# Altium PCB MKontr.PcbDoc (part 1 of 3)
Units mm, origin at the board's own origin, x right, y up, seen from the top; angles counter-clockwise.
Board outline 160 x 125 mm, 2 copper layers (Top Layer, Bottom Layer), stack 1.571 mm thick; 243 components, 241 nets, 966 pads, 239 vias.
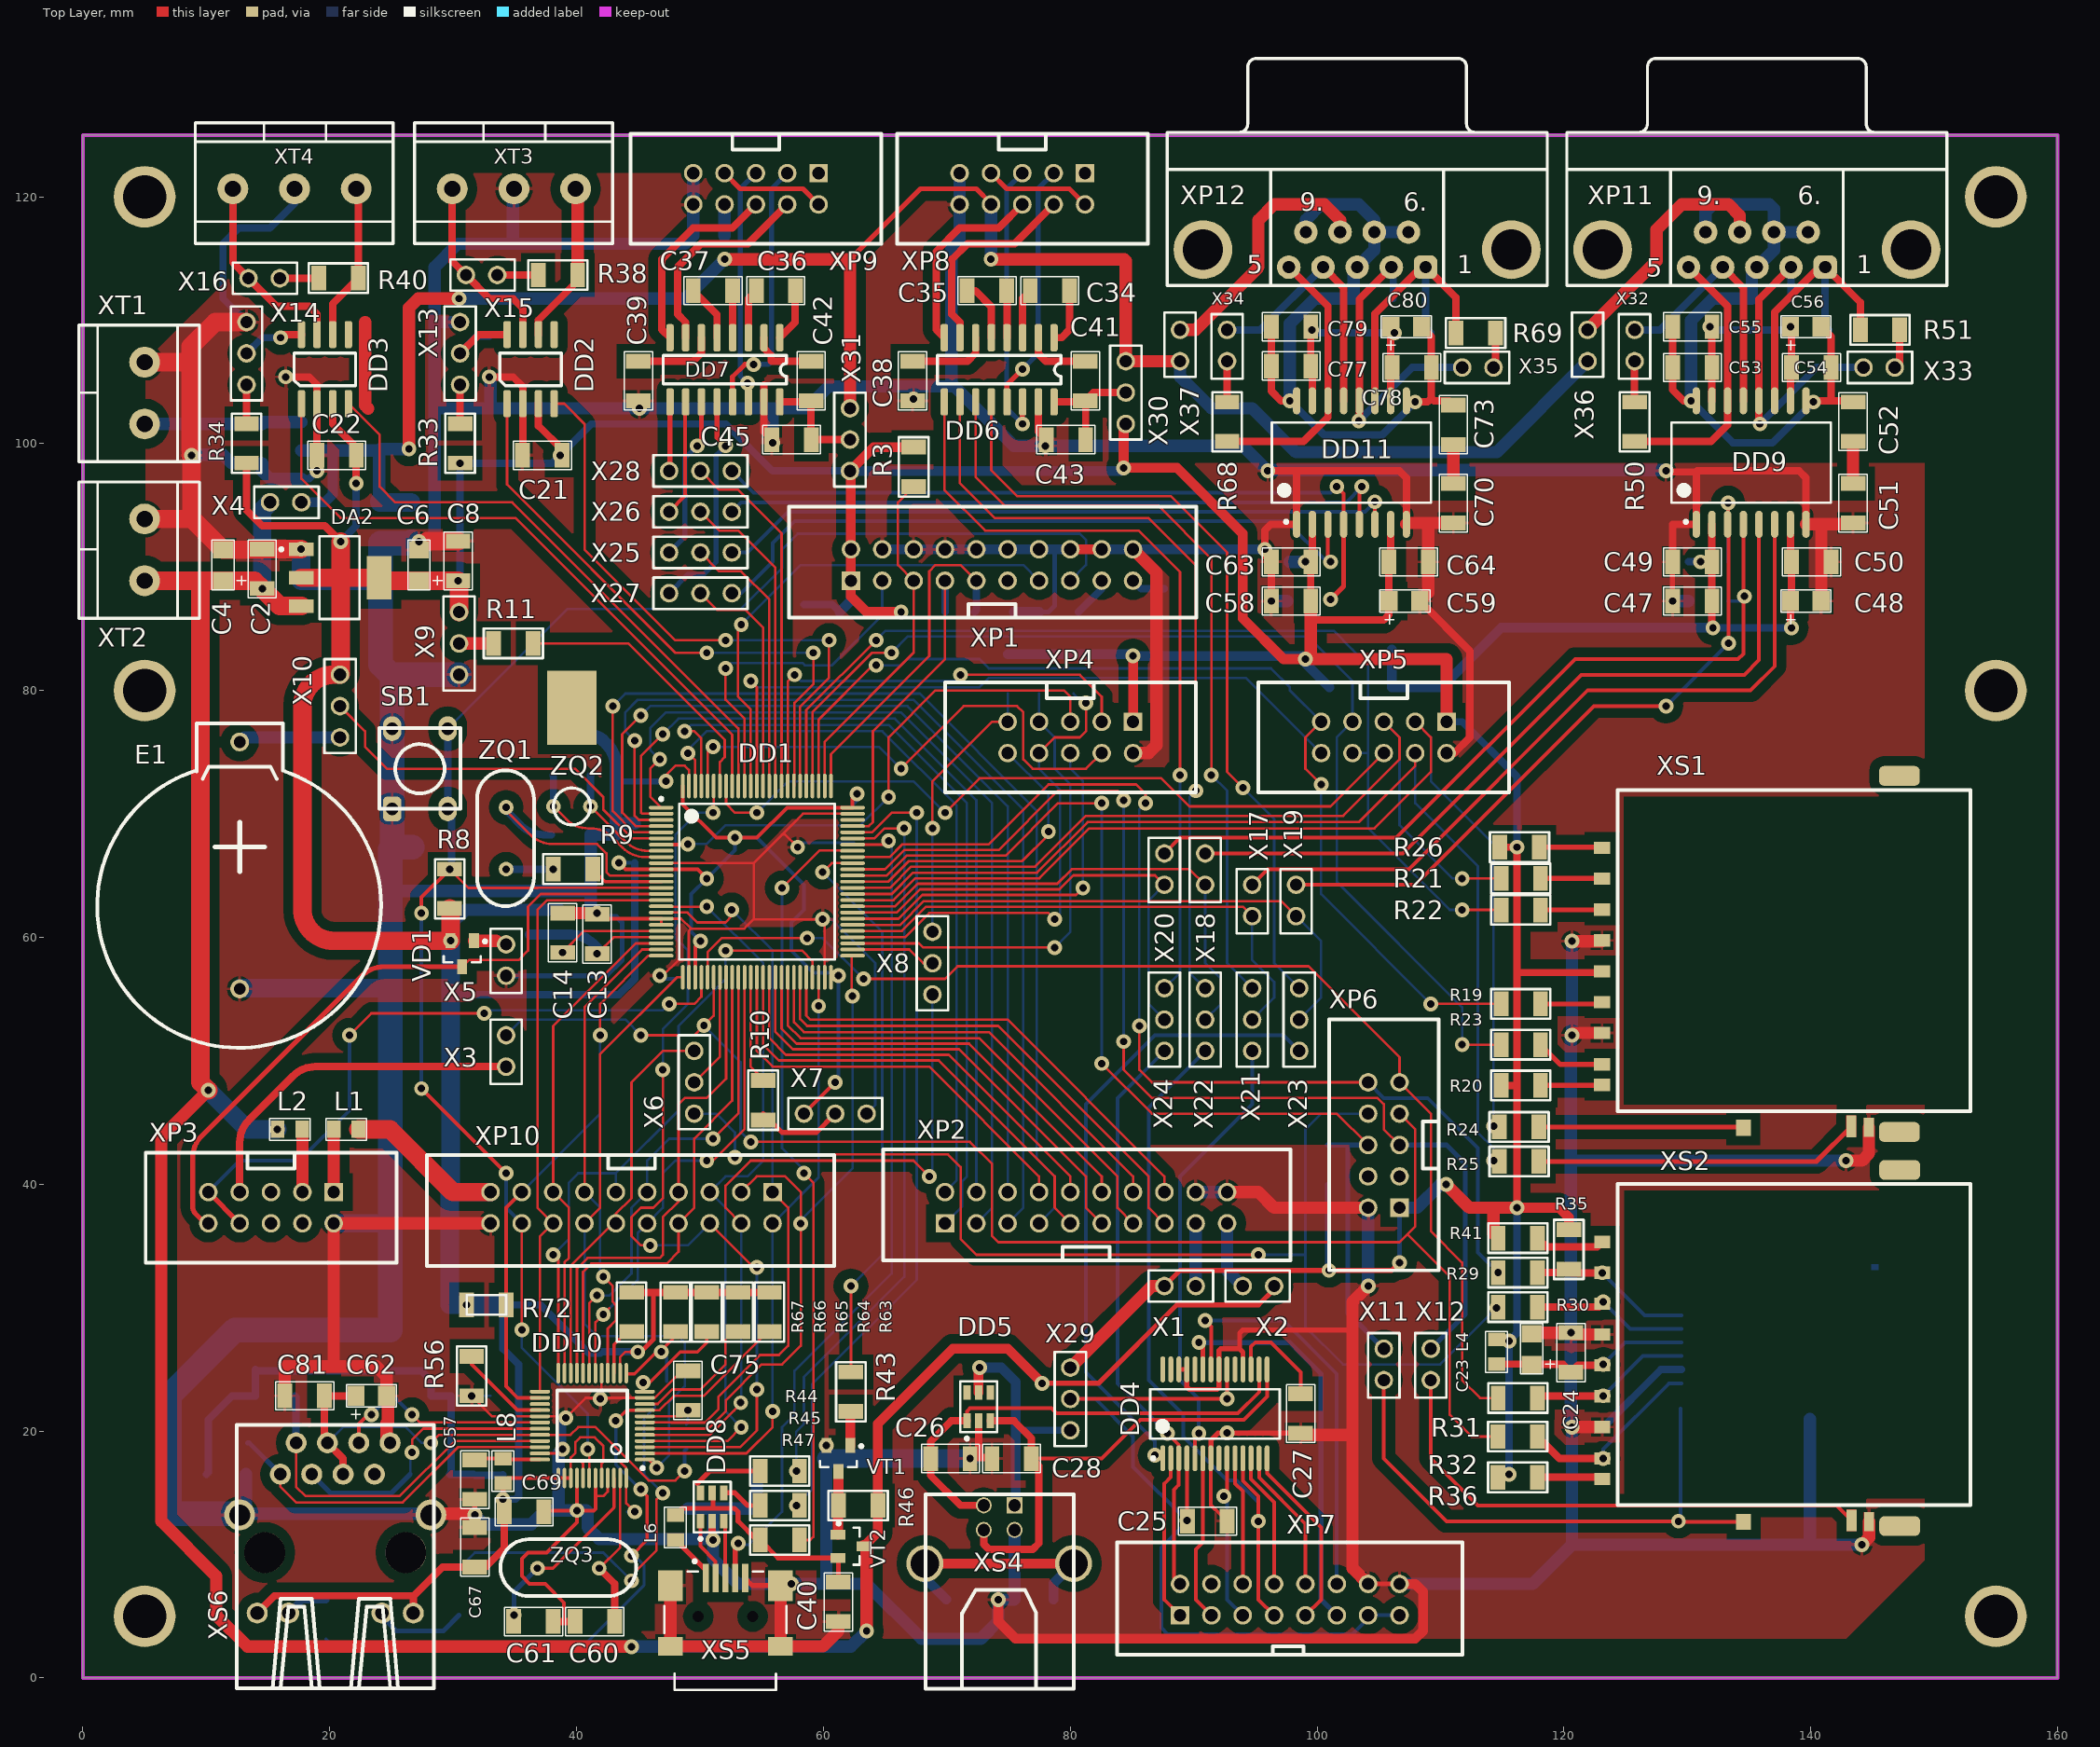
[diagram p0: Top Layer view]
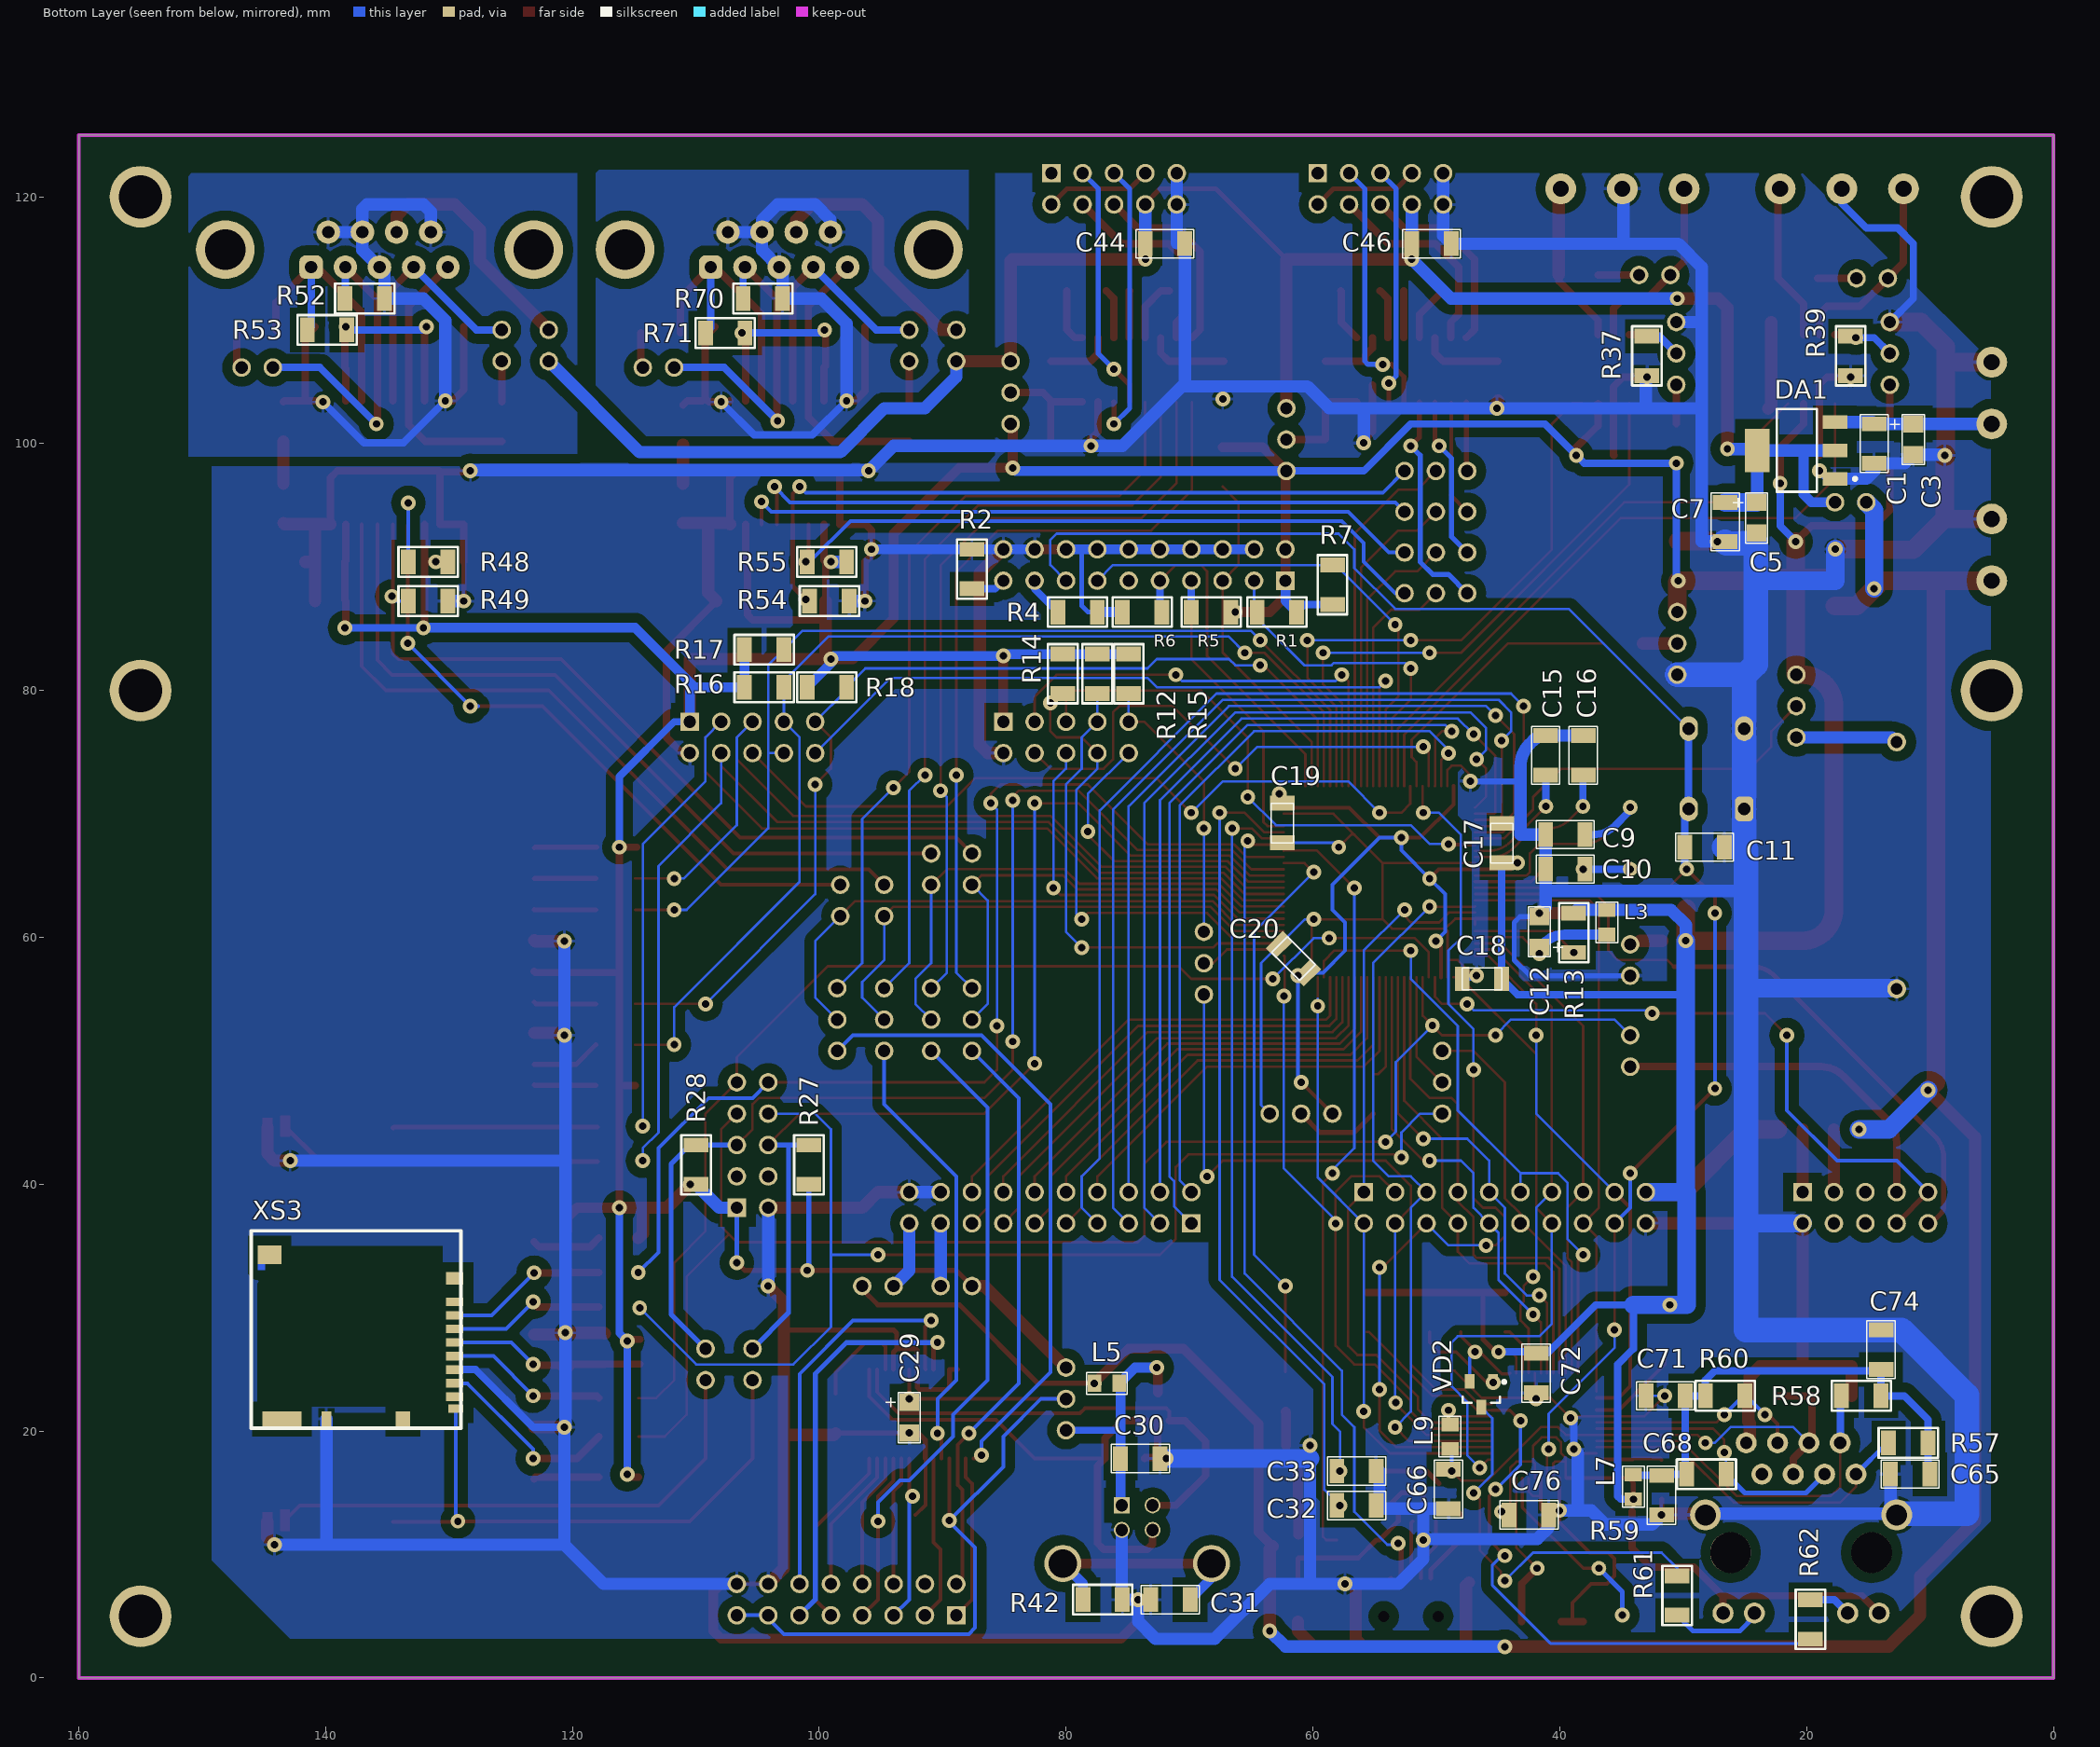
[diagram p1: Bottom Layer view, seen from below]

## Layer stack, top to bottom
Top Layer: signal copper 0.0356
Dielectric: core 1.5, FR-4, Dk 4.8
Bottom Layer: signal copper 0.0356

## Board outline
0,0 0,125 160,125 160,0

## Design rules (kind name [scope] priority, off if disabled: settings)
Clearance ClearanceDD1_DD2 [(HasFootprint('LQFP100') OR HasFootprint('SQFP48'))] p1: gap=0.2
Clearance Clearance_1 [InPolygon] p2: gap=0.8
Clearance [All] p3: gap=0.25
ComponentClearance ComponentClearanceALL [All] p1: gap=0.7 collisioncheckmode=3 verticalgap=0.254 showdistances=FALSE
DiffPairsRouting [All] p1: maxlimit=0.254 minlimit=0.254 mostfreqgap=0.254 maxuncoupledlength=12.7
Height [All] p1: minheight=0 maxheight=30.4 prefheight=12.7
HoleSize [All] p1: absolutevalues=TRUE maxlimit=5 minlimit=0.6 maxpercent=80.000 minpercent=20.000
HoleToHoleClearance [All] p1: gap=0.3 allowstackedmicrovias=TRUE
MinimumSolderMaskSliver MaskMS [(InComponent('DD4') OR InComponent('DD5') OR InComponent('DD8') OR InComponent('XS3'))] p1: minsoldermaskwidth=0.1
MinimumSolderMaskSliver Mask [All] p2: minsoldermaskwidth=0.2
PolygonConnect [All] p1: connectstyle=Relief reliefconductorwidth=0.254 reliefentries=4 polygonreliefangle="90 Angle" airgapwidth=0.254
RoomDefinition Ethernet [InComponentClass('Ethernet')] p1: confinementstyle=ConfineIn formatcopy=TRUE lockcomponents=FALSE outline 0,54.102 66.04,54.102 66.04,-1.016 0,-1.016
RoomDefinition RS485_2 [InComponentClass('RS485_2')] p2: confinementstyle=ConfineIn formatcopy=TRUE lockcomponents=FALSE outline 87.376,85.09 87.376,132.842 119.3,132.842 119.3,85.09
RoomDefinition RS485_1 [InComponentClass('RS485_1')] p3: confinementstyle=ConfineIn formatcopy=TRUE lockcomponents=FALSE outline 119.585,85.09 119.585,132.842 151.685,132.842 151.685,85.09
RoomDefinition USB_OTG [InComponentClass('USB_OTG')] p4: confinementstyle=ConfineIn formatcopy=TRUE lockcomponents=FALSE outline 44.704,27.94 67.056,27.94 67.056,-1.27 44.704,-1.27
RoomDefinition FT232 [InComponentClass('FT232')] p5: confinementstyle=ConfineIn formatcopy=TRUE lockcomponents=FALSE outline 121.828,49.484 121.828,-1.27 61.264,-1.27 61.264,49.484
RoomDefinition RS232_2 [InComponentClass('RS232_2')] p6: confinementstyle=ConfineIn formatcopy=TRUE lockcomponents=FALSE outline 41.195,126.92 65.96,126.92 65.96,94.615 41.195,94.615
RoomDefinition RS232_1 [InComponentClass('RS232_1')] p7: confinementstyle=ConfineIn formatcopy=TRUE lockcomponents=FALSE outline 87.55,94.615 57.07,94.615 57.07,127 87.55,127
RoomDefinition CAN2 [InComponentClass('CAN2')] p8: confinementstyle=ConfineIn formatcopy=TRUE lockcomponents=FALSE outline 28.18,127 28.18,94.615 7.225,94.615 7.225,127
RoomDefinition CAN1 [InComponentClass('CAN1')] p9: confinementstyle=ConfineIn formatcopy=TRUE lockcomponents=FALSE outline 25.405,127 44.69,127 44.69,94.615 25.405,94.615
RoutingCorners [(InNetClass('Signal_Inp') AND InNetClass('Signal_Upr'))] p1: cornerstyle=Round minsetback=2.54 maxsetback=2.54
RoutingVias [All] p1: holewidth=0.6 width=1.2 viastyle="Through Hole" minholewidth=0.4 minwidth=1.2 maxholewidth=1 maxwidth=2
SilkToSilkClearance [All] p1: silktosilkclearance=0.3
SilkToSolderMaskClearance [IsPad] p1: minsilkscreentomaskgap=0.3 clearancetoexposedcopper=TRUE
SolderMaskExpansion SolderMaskMS [(InComponent('DD4') OR InComponent('DD5') OR InComponent('DD8')OR InComponent('XS5')OR InComponent('XS3'))] p1: expansion=0.05
SolderMaskExpansion [All] p2: expansion=0.1
Width GND [InNetClass('GND')] p1: maxlimit=3 minlimit=0.2 preferedwidth=1
Width Power_5 [InNetClass('Power')] p2: maxlimit=3 minlimit=0.2 preferedwidth=1
Width [All] p3: maxlimit=1 minlimit=0.2 preferedwidth=0.5
19 further rules are at their usual default settings.

## Classes and differential pairs
net class GND: AGND GND GND1 GND2
net class Power: 5V 9V +3,3V +5V AVDD33 VBAT VBUS VCC VCC1 VCCIO VDD_SD VIS1 VIS2 VUSB
component class RS485_2: C58 C59 C63 C64 C70 C73 C77 C78 C79 C80 DD11 R54 R55 R68 R69 R70 R71 X34 X35 X37 XP12
component class RS485_1: C47 C48 C49 C50 C51 C52 C55 C56 DD9 R48 R49 R50 R51 R52 R53 X32 X33 X36 XP11
component class Ethernet: C57 C60 C61 C62 C65 C66 C67 C68 C69 C71 C72 C74 C75 C76 C81 DD10 L7 L8 L9 R56 R57 R58 R59 R60 R61 R62 R63 R64 R65 R66 R67 R72 VD2 XP10 XS6 ZQ3
component class USB_OTG: C32 C33 C40 DD8 L6 R43 R44 R45 R46 R47 VT1 VT2 XS5
component class FT232: C25 C26 C27 C29 C30 C31 DD4 DD5 L5 R42 X29 XP7 XS4
component class RS232_2: C36 C37 C39 C42 C45 C46 DD7 X31 XP9
component class RS232_1: C34 C35 C38 C41 C43 C44 DD6 X30 XP8
component class IM1301ST1: C1 C2 C3 C4 C5 C6 C7 C8 C9 C10 C11 C12 C13 C14 C15 C16 C21 C23 C36 C42 DA1 DA2 DD1 DD2 DD3 E1 L1 L2 L3 L4 R1 R2 R3 R4 R5 R6 R7 R8 R9 R10 R11 R12 R13 R14 R15 R16 R17 R18 R19 R20 R21 R22 R23 R24 R25 R26 R27 R28 R29 R30 R31 R32 R33 R34 R35 R36 R37 R38 R39 R40 R41 SB1 VD1 X1 X2 X3 X4 X5 X6 X7 X8 X9 X10 X11 X12 X13 X14 X15 X16 XP1 XP2 XP3 XP4 XP5 XP6 XS1 XS2 XS3 XT1 XT2 XT3 XT4 ZQ1 ZQ2
component class IM1301ST2: C25 C26 C27 C28 C29 C30 C31 C32 C33 C34 C35 C36 C37 C38 C39 C40 C41 C42 C43 C49 C52 C58 DD4 DD5 DD6 DD7 DD8 L5 L6 R42 R43 R44 R45 R46 R47 VT1 VT2 X17 X18 X19 X20 X21 X22 X23 X24 X25 X26 X27 X28 X29 X30 X31 XP7 XP8 XP9 XS4 XS5
component class IM1301ST3: C17 C36 C47 C48 C49 C50 C51 C52 C53 C54 C55 C56 C57 C58 C59 C60 C61 C62 C63 C64 C65 C66 C67 C68 C69 C70 C71 C73 C74 C75 C76 C77 C79 C80 DD9 DD10 DD11 L7 L8 L9 R48 R49 R50 R51 R52 R53 R54 R55 R56 R57 R58 R59 R60 R61 R62 R63 R64 R65 R66 R67 R68 R69 R70 R71 VD2 X32 X33 X34 X35 X36 X37 XP10 XP11 XP12 XS6 ZQ3
component class CAN1: C21 DD2 R33 R37 R38 X13 X15 XT3
component class CAN2: C22 DD3 R34 R39 R40 X14 X16 XT4
differential pair TX1_RS485: +TX1+ -TX1-
differential pair RX1_RS485: +RX1+ -RX1-
differential pair TX2_RS485: +TX2+ -TX2-
differential pair RX2_RS485: +RX2+ -RX2-

## Components (designator, comment, footprint, x,y, rotation, side; value= is the part's Value field where it differs from the comment)
C1 "0,1 мк" CAPC_1206 14.525,101.6 r270 bottom
C2 "0,1 мк" CAPC_1206 14.525,88.265 r90 top
C3 "10 мк" 3216 11.35,101.6 r270 bottom
C4 "10 мк" 3216 11.35,88.9 r90 top
C5 "22 мк" 3216 24.05,95.25 r270 bottom
C6 "22 мк" 3216 27.225,88.9 r90 top
C7 "0,1 мк" CAPC_1206 26.59,95.25 r270 bottom
C8 "0,1 мк" CAPC_1206 30.4,88.9 r90 top
C9 "22" CAPC_1206 41.148,68.326 r180 bottom
C10 "22" CAPC_1206 41.148,65.532 r180 bottom
C11 "0,1 мк" CAPC_1206 26.67,67.31 r0 bottom
C12 "10 мк" 3216 41.656,59.182 r90 bottom
C13 "0,1 мк" CAPC_1206 41.656,58.674 r90 top
C14 "0,1 мк" CAPC_1206 38.862,61.976 r270 top
C15 "15" CAPC_1206 41.148,73.152 r90 bottom
C16 "15" CAPC_1206 38.1,73.152 r90 bottom
C17 "0,1 мк" CAPC_1206 44.704,66.04 r90 bottom
C18 "0,1 мк" CAPC_1206 44.704,56.642 r0 bottom
C19 "0,1 мк" CAPC_1206 62.484,70.866 r270 bottom
C20 "0,1 мк" CAPC_1206 60.452,57.15 r45 bottom
C21 "0,1 мк" CAPC_1206 38.815,99.06 r180 top
C22 "0,1 мк" CAPC_1206 22.145,99.06 r180 top
C23 "10 мк" 3216 117.395,25.4 r90 top
C24 "0,1 мк" CAPC_1206 120.57,24.765 r90 top
C25 "0,1 мк" CAPC_1206 92.71,12.7 r180 top
C26 "47" CAPC_1206 71.882,17.78 r180 top
C27 "0,1 мк" CAPC_1206 98.676,19.832 r90 top
C28 "47" CAPC_1206 73.66,17.78 r0 top
C29 "10 мк" 3216 92.71,22.352 r270 bottom
C30 "0,1 мк" CAPC_1206 72.39,17.78 r0 bottom
C31 "4700" CAPC_1206 73.152,6.35 r180 bottom
C32 "0,047 мк" CAPC_1206 54.864,13.97 r0 bottom
C33 "0,047 мк" CAPC_1206 54.864,16.764 r0 bottom
C34 "0,1 мк" CAPC_1206 76.755,112.395 r0 top
C35 "0,1 мк" CAPC_1206 74.85,112.395 r180 top
C36 "0,1 мк" CAPC_1206 54.555,112.395 r0 top
C37 "0,1 мк" CAPC_1206 52.65,112.395 r180 top
C38 "0,1 мк" CAPC_1206 67.23,106.68 r270 top
C39 "0,1 мк" CAPC_1206 45.005,106.68 r270 top
C40 "0,1 мк" CAPC_1206 61.214,4.572 r90 top
C41 "0,1 мк" CAPC_1206 81.225,106.68 r270 top
C42 "0,1 мк" CAPC_1206 59,106.68 r270 top
C43 "0,1 мк" CAPC_1206 78.05,100.33 r0 top
C44 "0,1 мк" CAPC_1206 73.58,116.205 r180 bottom
C45 "0,1 мк" CAPC_1206 55.825,100.33 r0 top
C46 "0,1 мк" CAPC_1206 51.99,116.205 r180 bottom
C47 "0,1 мк" CAPC_1206 132,87.249 r180 top
C48 "10 мк" 3216 138.35,87.249 r0 top
C49 "0,01 мк" CAPC_1206 132,90.424 r180 top
C50 "0,01 мк" CAPC_1206 141.652,90.424 r180 top
C51 "0,1 мк" CAPC_1206 143.43,96.774 r270 top
C52 "0,1 мк" CAPC_1206 143.43,103.378 r270 top
C53 "0,01 мк" CAPC_1206 132,106.172 r180 top
C54 "0,1 мк" CAPC_1206 141.652,106.172 r180 top
C55 "0,1 мк" CAPC_1206 132,109.474 r180 top
C56 "10 мк" 3216 138.35,109.474 r0 top
C57 "0,1 мк" CAPC_1206 31.75,14.478 r90 top
C58 "0,1 мк" CAPC_1206 99.488,87.249 r180 top
C59 "10 мк" 3216 105.838,87.249 r0 top
C60 "22" CAPC_1206 39.878,4.572 r0 top
C61 "22" CAPC_1206 38.1,4.572 r180 top
C62 "22 мк" 3216 22.098,22.86 r0 top
C63 "0,01 мк" CAPC_1206 99.488,90.424 r180 top
C64 "0,01 мк" CAPC_1206 109.013,90.424 r180 top
C65 "0,1 мк" CAPC_1206 13.208,16.51 r180 bottom
C66 "0,1 мк" CAPC_1206 49.022,13.716 r90 bottom
C67 "0,1 мк" CAPC_1206 31.75,12.192 r270 top
C68 "0,1 мк" CAPC_1206 31.75,13.208 r90 bottom
C69 "0,1 мк" CAPC_1206 37.338,13.462 r180 top
C70 "0,1 мк" CAPC_1206 111.045,96.774 r270 top
C71 "0,1 мк" CAPC_1206 33.02,22.86 r180 bottom
C72 "0,1 мк" CAPC_1206 41.91,23.114 r90 bottom
C73 "0,1 мк" CAPC_1206 111.045,103.124 r270 top
C74 "0,1 мк" CAPC_1206 13.97,28.194 r270 bottom
C75 "0,1 мк" CAPC_1206 49.022,24.892 r270 top
C76 "0,1 мк" CAPC_1206 40.894,13.208 r0 bottom
C77 "0,01 мк" CAPC_1206 99.488,106.299 r180 top
C78 "0,1 мк" CAPC_1206 109.267,106.172 r180 top
C79 "0,1 мк" CAPC_1206 99.488,109.474 r180 top
C80 "10 мк" 3216 105.965,109.474 r0 top
C81 "0,1 мк" CAPC_1206 19.558,22.86 r180 top
DA1 "LM1117" SOT223 17.7,97.155 r90 bottom
DA2 "LM1117" SOT223 17.7,91.44 r270 top
DD1 "STM32F107VCT6" LQFP100 54.61,64.516 r0 top
DD2 "SN65HVD230" SO8 36.275,106.045 r90 top
DD3 "SN65HVD230" SO8 19.605,106.045 r90 top
DD4 "FT232RL" SSOP28 87.5,17.8 r90 top
DD5 "USBLC6-2SC6" SOT23-6L 71.628,20.828 r90 top
DD6 "ADM3202ARNZ" SO16 78.685,108.585 r270 top
DD7 "ADM3202ARNZ" SO16 56.46,108.585 r270 top
DD8 "USBLC6-2SC6" SOT23-6L 50.038,12.7 r90 top
DD9 "ADM2687E" SOIC_IC16 130.73,93.472 r90 top
DD10 "RTL8201BL" SQFP48 41.275,20.447 r180 top
DD11 "ADM2687E" SOIC_IC16 98.345,93.472 r90 top
E1 "BH800" BATTERY_20mm 12.7,62.23 r270 top
L1 "BLM21PG331SH1D" C0805 20.32,44.45 r0 top
L2 "BLM21PG331SH1D" C0805 17.78,44.45 r180 top
L3 "BLM21AG151SN1D" C0805 36.195,62.23 r270 bottom
L4 "BLM21AG151SN1D" C0805 114.554,27.432 r270 top
L5 "BLM21AG151SN1D" C0805 75.692,23.876 r0 bottom
L6 "BLM21AG151SN1D" C0805 48.006,13.208 r270 top
L7 "BLM21AG151SN1D" C0805 34.036,14.478 r90 bottom
L8 "TL201209 4R7K" C0805 34.036,17.78 r270 top
L9 "TL201209 4R7K" C0805 48.895,18.542 r90 bottom
R1 "10 k" SMD_1206 64.516,86.36 r180 bottom
R2 "10 k" SMD_1206 87.63,91.44 r270 bottom
R3 "10 k" SMD_1206 67.31,96.52 r90 top
R4 "10 k" SMD_1206 77.47,86.36 r0 bottom
R5 "10 k" SMD_1206 69.85,86.36 r180 bottom
R6 "10 k" SMD_1206 75.438,86.36 r180 bottom
R7 "10 k" SMD_1206 58.42,90.17 r270 bottom
R8 "10 k" SMD_1206 29.718,65.532 r270 top
R9 "220" SMD_1206 38.1,65.532 r0 top
R10 "10 k" SMD_1206 55.118,45.212 r90 top
R11 "10 k" SMD_1206 33.274,83.82 r0 top
R12 "4,7 k" SMD_1206 77.47,79.756 r90 bottom
R13 "47" SMD_1206 38.862,58.776 r90 bottom
R14 "4,7 k" SMD_1206 80.264,79.756 r90 bottom
R15 "4,7 k" SMD_1206 74.93,79.756 r90 bottom
R16 "4,7 k" SMD_1206 102.87,80.264 r0 bottom
R17 "4,7 k" SMD_1206 102.87,83.312 r0 bottom
R18 "4,7 k" SMD_1206 97.79,80.264 r0 bottom
R19 "100" SMD_1206 118.11,54.61 r180 top
R20 "10 k" SMD_1206 118.11,48.006 r180 top
R21 "100" SMD_1206 118.11,64.77 r180 top
R22 "100" SMD_1206 118.11,62.23 r180 top
R23 "100" SMD_1206 118.11,51.308 r180 top
R24 "100" SMD_1206 117.968,44.639 r180 top
R25 "100" SMD_1206 117.968,41.845 r180 top
R26 "10 k" SMD_1206 114.808,67.31 r0 top
R27 "10 k" SMD_1206 100.838,43.18 r270 bottom
R28 "10 k" SMD_1206 109.982,43.18 r270 bottom
R29 "100" SMD_1206 117.872,32.845 r180 top
R30 "100" SMD_1206 117.872,30.051 r180 top
R31 "100" SMD_1206 117.872,22.685 r180 top
R32 "100" SMD_1206 117.856,19.558 r180 top
R33 "2,2 k" SMD_1206 30.56,98.425 r90 top
R34 "2,2 k" SMD_1206 13.255,98.425 r90 top
R35 "4,7 k" SMD_1206 120.396,36.322 r270 top
R36 "10 k" SMD_1206 117.856,16.256 r180 top
R37 "10 k" SMD_1206 32.94,108.712 r270 bottom
R38 "120" SMD_1206 40.085,113.665 r180 top
R39 "10 k" SMD_1206 16.43,108.712 r270 bottom
R40 "120" SMD_1206 22.305,113.405 r180 top
R41 "10 k" SMD_1206 117.872,35.639 r180 top
R42 "1 M" SMD_1206 75.438,6.35 r0 bottom
R43 "10 k" SMD_1206 62.23,21.59 r90 top
R44 "22" SMD_1206 54.864,16.764 r0 top
R45 "22" SMD_1206 54.864,13.97 r0 top
R46 "10 k" SMD_1206 61.214,13.97 r0 top
R47 "200" SMD_1206 54.864,11.176 r0 top
R48 "10 k" SMD_1206 130.095,90.424 r0 bottom
R49 "10 k" SMD_1206 130.095,87.249 r0 bottom
R50 "120" SMD_1206 125.73,103.378 r270 top
R51 "120" SMD_1206 144.018,109.22 r0 top
R52 "4,7 k" SMD_1206 138.43,111.76 r180 bottom
R53 "4,7 k" SMD_1206 141.478,109.22 r180 bottom
R54 "10 k" SMD_1206 97.583,87.249 r0 bottom
R55 "10 k" SMD_1206 97.79,90.424 r0 bottom
R56 "2,2 k" SMD_1206 31.496,22.86 r90 top
R57 "49,9" SMD_1206 10.16,19.05 r0 bottom
R58 "49,9" SMD_1206 13.97,22.86 r0 bottom
R59 "49,9" SMD_1206 29.718,16.51 r180 bottom
R60 "49,9" SMD_1206 28.194,22.86 r180 bottom
R61 "200" SMD_1206 30.48,5.08 r90 bottom
R62 "200" SMD_1206 19.685,6.35 r270 bottom
R63 "4,7 k" SMD_1206 55.626,31.242 r270 top
R64 "4,7 k" SMD_1206 53.086,31.242 r270 top
R65 "4,7 k" SMD_1206 50.546,31.242 r270 top
R66 "4,7 k" SMD_1206 48.006,31.242 r270 top
R67 "4,7 k" SMD_1206 44.45,31.242 r270 top
R68 "120" SMD_1206 92.71,103.378 r270 top
R69 "120" SMD_1206 111.252,108.966 r0 top
R70 "4,7 k" SMD_1206 106.172,111.76 r180 bottom
R71 "4,7 k" SMD_1206 109.22,108.966 r180 bottom
R72 "4,7 k" SMD_1206 34.29,30.226 r180 top
SB1 "SWT-2" SWT2 27.305,73.66 r180 top
VD1 "BAT54S" SOT23 30.734,58.674 r270 top
VD2 "BAT54A" SOT23 46.355,22.987 r270 bottom
VT1 "BC846" SOT23 61.214,17.78 r270 top
VT2 "IRLML2502" SOT23 62.23,10.668 r0 top
X1 "PLS-02" PLS-2 87.63,31.75 r0 top
X2 "PLS-02" PLS-2 96.52,31.75 r180 top
X3 "PLS-02" PLS-2 34.29,52.07 r270 top
X4 "PLS-02" PLS-2 15.16,95.25 r0 top
X5 "PLS-02" PLS-2 34.29,59.436 r270 top
X6 "PLS-03" PLS-3 49.53,45.72 r90 top
X7 "PLS-03" PLS-3 58.42,45.72 r0 top
X8 "PLS-03" PLS-3 68.834,55.372 r90 top
X9 "PLS-03" PLS-3 30.48,86.36 r270 top
X10 "PLS-03" PLS-3 20.828,81.28 r270 top
X11 "PLS-02" PLS-2 105.41,26.67 r270 top
X12 "PLS-02" PLS-2 109.22,26.67 r270 top
X13 "PLS-03" PLS-3 30.56,109.855 r270 top
X14 "PLS-03" PLS-3 13.255,109.855 r270 top
X15 "PLS-02" PLS-2 31.035,113.665 r0 top
X16 "PLS-02" PLS-2 13.415,113.405 r0 top
X17 "PLS-02" PLS-2 94.742,64.262 r270 top
X18 "PLS-02" PLS-2 90.932,66.802 r270 top
X19 "PLS-02" PLS-2 98.298,64.262 r270 top
X20 "PLS-02" PLS-2 87.63,66.802 r270 top
X21 "PLS-03" PLS-3 94.742,55.88 r270 top
X22 "PLS-03" PLS-3 90.932,55.88 r270 top
X23 "PLS-03" PLS-3 98.552,55.88 r270 top
X24 "PLS-03" PLS-3 87.63,55.88 r270 top
X25 "PLS-03" PLS-3 47.498,91.186 r0 top
X26 "PLS-03" PLS-3 47.498,94.488 r0 top
X27 "PLS-03" PLS-3 47.498,87.884 r0 top
X28 "PLS-03" PLS-3 47.498,97.79 r0 top
X29 "PLS-03" PLS-3 80.01,25.146 r270 top
X30 "PLS-03" PLS-3 84.502,106.68 r270 top
X31 "PLS-03" PLS-3 62.15,102.87 r270 top
X32 "PLS-02" PLS-2 125.73,109.22 r270 top
X33 "PLS-02" PLS-2 144.272,106.172 r0 top
X34 "PLS-02" PLS-2 92.71,109.22 r270 top
X35 "PLS-02" PLS-2 114.3,106.172 r180 top
X36 "PLS-02" PLS-2 121.92,106.68 r90 top
X37 "PLS-02" PLS-2 88.9,106.68 r90 top
XP1 "BH-20" PLD-20 62.23,88.9 r90 top
XP2 "BH-20" PLD-20 69.85,36.83 r90 top
XP3 "BH-10" PLD-10 20.32,39.37 r270 top
XP4 "BH-10" PLD-10 85.09,77.47 r270 top
XP5 "BH-10" PLD-10 110.49,77.47 r270 top
XP6 "BH-10" PLD-10 106.68,38.1 r180 top
XP7 "BH-16" PLD-16 88.9,5.08 r90 top
XP8 "BH-10" PLD-10 81.2,121.92 r270 top
XP9 "BH-10" PLD-10 59.61,121.92 r270 top
XP10 "BH-20" PLD-20 55.88,39.37 r270 top
XP11 "DBR-9MA" DB9M 141.175,114.3 r180 top
XP12 "DBR-9MA" DB9M 108.79,114.3 r180 top
XS1 "AXA2R73361" SD_AXA2R 148.844,43.434 r90 top
XS2 "AXA2R73361" SD_AXA2R 148.86,11.509 r90 top
XS3 "DM3BT-DSF-PEJS" DM3BT-DSF-PEJS 129.54,30.48 r270 bottom
XS4 "USBB-1J" USBB-1J 75.488,13.99 r0 top
XS5 "USB/M-1J" MINIUSB 52.07,5.08 r90 top
XS6 "LU1T516-43LF" HR911105A 14.732,10.16 r0 top
XT1 "TB-01A" TB-01A 5,101.6 r90 top
XT2 "TB-01A" TB-01A 5,88.9 r90 top
XT3 "TB-01B" TB-01B 29.925,120.65 r0 top
XT4 "TB-01B" TB-01B 12.145,120.65 r0 top
ZQ1 "25 МГц" HC-49U_5mm 34.29,65.532 r90 top
ZQ2 "32768" DT-38P 39.624,70.612 r180 top
ZQ3 "25 МГц" HC-49U_5mm 36.83,8.89 r0 top

## Footprints (in the part's own frame and the unit in brackets; to place one, negate y for a bottom-side part, rotate by r counter-clockwise, add the part's x,y. Pads: shape width x height; smd on the part's side, far side on the other; paste and mask are expansions set on the pad)
3216 [mm]
  rect 1.4x1.6 smd: 1(0,0) 2(2.5,0)
  silkscreen extent -0.76,-1.9 3.3,0.9, body extent -0.3,-0.8 2.8,0.8, height 1.5
BATTERY_20mm [mil]
  round 60 hole 38: 1(-535.43,0) 2(251.97,0)
  silkscreen extent -594,-454 440,451, body extent -640,-452 440,454, height 341
C0805 [mm] "Chip Capacitor, Body 2.0x1.3mm, IPC High Density"
  rect 1.1x1.4 smd: 1(0,0) 2(2,0)
  silkscreen extent -0.64,-0.89 2.67,0.89, body extent 0,-0.63 2,0.62, height 0.78
CAPC_1206 [mm] "Chip Capacitor, 2-Leads, Body 3,30x1,70mm, IPC Medium Density"
  rect 1.2x2 smd: 1(0,0) 2(3.2,0)
  silkscreen extent -0.76,-1.14 3.94,1.14, body extent 0,-0.8 3.2,0.8, height 1
DB9M [mm] "Connector; D Subminiature; 9 Position; Right Angle; Pitch 1.385 mm"
  rrect50% 1.905x1.905 hole 1: 1(0,0)
  round 1.905 hole 1: 2(2.77,0) 3(5.54,0) 4(8.31,0) 5(11.08,0) 6(1.385,-2.84) 7(4.155,-2.84) 8(6.925,-2.84) 9(9.695,-2.84)
  round 4.76 hole 3.26: 10(18.035,-1.42) 11(-6.955,-1.42)
  silkscreen extent -9.86,-16.92 20.94,1.48, body extent -9.93,-17.65 20.96,2.03, height 12.57
DM3BT-DSF-PEJS [mm] "SDcard_mini"
  rect 1.5x1.9 smd: 0(-3.8,-15)
  rect 1x1.4 smd: 0(-1.9,0)
  rect 1.2x3.2 smd: 0(9.5,-14)
  rect 1.2x1.2 smd: 0(9.5,-4.2)
  rect 0.7x1.4 smd: 1(0,0) 2(1.1,0) 3(2.2,0) 4(3.3,0) 5(4.4,0) 6(5.5,0) 7(6.6,0) 8(7.7,0)
  rect 0.7x1.2 smd: 9(8.65,0.1)
  rect 1.2x0.8 smd: 10(9.5,-10.4)
  Top Layer region: -3.05,-15.35 -2.55,-15.35 -2.55,-15.95 -3.05,-15.95
  Top Layer pour cut-out: 10.1,-10 10.1,-4.8 9,-4.8 9,-10
  Top Layer pour cut-out: 10.1,-3.6 10.1,-0.5 9,-0.5 9,-3.6
  Top Layer pour cut-out: -4.5,-1 -4.5,-13.5 -2.6,-13.5 -2.5,-13.6 -2.5,-15 -1.5,-16 8.5,-16 8.5,-1
  silkscreen extent -5.75,-16.5 10.25,0.5, body extent -5.8,-16.55 10.3,0.5, height 1.95
DT-38P [mm] "32768 quartz"
  rect 4x6 smd: 0(0,-8)
  round 1.2 hole 0.6: 1(-1.5,0) 2(1.5,0)
  silkscreen extent -1.5,-1.5 1.5,1.5, body extent -1.73,-1.6 1.72,1.6, height 8.98
HC-49U_5mm [mm]
  round 1.2 hole 0.6: 1(0,0) 2(5,0)
  silkscreen extent -3,-2.25 8,2.35, body extent -3,-2.33 8.17,2.35, height 13.99
HR911105A [mm] "RJ-45"
  round 3.3 hole 3.3: 0(0,0) 0(11.43,0)
  round 1.7 hole 1: 1(1.27,6.35) 2(2.54,8.89) 3(3.81,6.35) 4(5.08,8.89) 5(6.35,6.35) 6(7.62,8.89) 7(8.89,6.35) 8(10.16,8.89)
  round 1.7 hole 1.1: 9(-0.61,-4.9) 10(1.93,-4.9) 11(9.5,-4.9) 12(12.04,-4.9)
  round 2.5 hole 1.7: 13(-2.035,3.05) 14(13.465,3.05)
  silkscreen extent -2.28,-11 13.71,10.35, body extent -2.22,-10.92 13.66,10.48, height 13.5
LQFP100 [mm] "TSQFP, 100-Leads, Body 14,00x14,00mm, Pitch 0,50mm, IPC Medium Density"
  oval 2x0.3 smd: 1(-7.75,6) 2(-7.75,5.5) 3(-7.75,5) 4(-7.75,4.5) 5(-7.75,4) 6(-7.75,3.5) 7(-7.75,3) 8(-7.75,2.5) 9(-7.75,2) 10(-7.75,1.5) 11(-7.75,1) 12(-7.75,0.5) 13(-7.75,0) 14(-7.75,-0.5) 15(-7.75,-1) 16(-7.75,-1.5) 17(-7.75,-2) 18(-7.75,-2.5) 19(-7.75,-3) 20(-7.75,-3.5) 21(-7.75,-4) 22(-7.75,-4.5) 23(-7.75,-5) 24(-7.75,-5.5) 25(-7.75,-6) 51(7.75,-6) 52(7.75,-5.5) 53(7.75,-5) 54(7.75,-4.5) 55(7.75,-4) 56(7.75,-3.5) 57(7.75,-3) 58(7.75,-2.5) 59(7.75,-2) 60(7.75,-1.5) 61(7.75,-1) 62(7.75,-0.5) 63(7.75,0) 64(7.75,0.5) 65(7.75,1) 66(7.75,1.5) 67(7.75,2) 68(7.75,2.5) 69(7.75,3) 70(7.75,3.5) 71(7.75,4) 72(7.75,4.5) 73(7.75,5) 74(7.75,5.5) 75(7.75,6)
  oval 0.3x2 smd: 26(-6,-7.75) 27(-5.5,-7.75) 28(-5,-7.75) 29(-4.5,-7.75) 30(-4,-7.75) 31(-3.5,-7.75) 32(-3,-7.75) 33(-2.5,-7.75) 34(-2,-7.75) 35(-1.5,-7.75) 36(-1,-7.75) 37(-0.5,-7.75) 38(0,-7.75) 39(0.5,-7.75) 40(1,-7.75) 41(1.5,-7.75) 42(2,-7.75) 43(2.5,-7.75) 44(3,-7.75) 45(3.5,-7.75) 46(4,-7.75) 47(4.5,-7.75) 48(5,-7.75) 49(5.5,-7.75) 50(6,-7.75) 76(6,7.75) 77(5.5,7.75) 78(5,7.75) 79(4.5,7.75) 80(4,7.75) 81(3.5,7.75) 82(3,7.75) 83(2.5,7.75) 84(2,7.75) 85(1.5,7.75) 86(1,7.75) 87(0.5,7.75) 88(0,7.75) 89(-0.5,7.75) 90(-1,7.75) 91(-1.5,7.75) 92(-2,7.75) 93(-2.5,7.75) 94(-3,7.75) 95(-3.5,7.75) 96(-4,7.75) 97(-4.5,7.75) 98(-5,7.75) 99(-5.5,7.75) 100(-6,7.75)
  silkscreen extent -7.87,-6.3 6.3,6.82, body extent -8,-8 8,8, height 1.6
MINIUSB [mm]
  rect 2.3x0.5 smd: 1(3,1.611) 2(3,0.811) 3(3,0.011) 4(3,-0.789) 5(3,-1.589)
  rect 2.5x2 smd: 6(2.407,-4.439) 8(2.407,4.461)
  rect 1.5x2 smd: 7(-2.507,-4.461) 9(-2.507,4.461)
  round 0.6 hole 0.9 unplated: MH1(-0.093,-2.189) MH2(-0.093,2.211)
  silkscreen extent -6.04,-4.94 4.5,4.96, body extent -5.71,-4.95 3.49,4.95, height 4.17
PLD-10 [mm]
  rect 1.5x1.5 hole 1: 1(0,0)
  round 1.5 hole 1: 2(2.54,0) 3(0,-2.54) 4(2.54,-2.54) 5(0,-5.08) 6(2.54,-5.08) 7(0,-7.62) 8(2.54,-7.62) 9(0,-10.16) 10(2.54,-10.16)
  silkscreen extent -3.18,-15.24 5.72,5.08, body extent -3.13,-15.23 5.97,5.07, height 9.3
PLD-16 [mm]
  rect 1.5x1.5 hole 1: 1(0,0)
  round 1.5 hole 1: 2(2.54,0) 3(0,-2.54) 4(2.54,-2.54) 5(0,-5.08) 6(2.54,-5.08) 7(0,-7.62) 8(2.54,-7.62) 9(0,-10.16) 10(2.54,-10.16) 11(0,-12.7) 12(2.54,-12.7) 13(0,-15.24) 14(2.54,-15.24) 15(0,-17.78) 16(2.54,-17.78)
  silkscreen extent -3.2,-22.89 5.9,5.09, body extent -3.2,-22.89 6,5.09, height 8.84
PLD-20 [mm]
  rect 1.5x1.5 hole 1: 1(0,0)
  round 1.5 hole 1: 2(2.54,0) 3(0,-2.54) 4(2.54,-2.54) 5(0,-5.08) 6(2.54,-5.08) 7(0,-7.62) 8(2.54,-7.62) 9(0,-10.16) 10(2.54,-10.16) 11(0,-12.7) 12(2.54,-12.7) 13(0,-15.24) 14(2.54,-15.24) 15(0,-17.78) 16(2.54,-17.78) 17(0,-20.32) 18(2.54,-20.32) 19(0,-22.86) 20(2.54,-22.86)
  silkscreen extent -3,-28 6,5, body extent -3.11,-27.94 5.99,5.08, height 9.25
PLS-2 [mm]
  round 1.5 hole 1: 1(0,0) 2(2.54,0)
  silkscreen extent -1.27,-1.27 3.95,1.27, body extent -1.27,-1.27 3.81,1.27, height 8.5
PLS-3 [mm]
  round 1.5 hole 1: 1(0,0) 2(2.54,0) 3(5.08,0)
  silkscreen extent -1.27,-1.27 6.35,1.27, body extent -1.27,-1.27 6.35,1.27, height 8.44
SD_AXA2R [mm] "AXA2R standart type(withhout standoff)"
  rrect50% 1.6x3.3 smd: 0(0.8,1.65) 0(29.65,1.65)
  rect 1x1.3 smd: 1(21.32,25.75) 2(18.82,25.75) 3(16.32,25.75) 4(13.82,25.75) 5(11.32,25.75) 6(8.82,25.75) 7(6.27,25.75) 8(4.62,25.75) 9(23.82,25.75)
  rect 1.3x1.2 smd: 10(1.14,14.3)
  rect 1.75x0.82 smd: 11(1.25,5.55)
  rect 1.55x0.82 smd: 12(1.175,4.125)
  Top Layer region: 0.39,5.15 2.14,5.15 2.14,5.97 0.39,5.97
  Top Layer region: 0.39,3.73 1.94,3.73 1.94,4.55 0.39,4.55
  Top Layer pour cut-out: 3,24 3,-0.5 28,-0.5 28,24
  silkscreen extent 2.5,-4.1 28.5,24.5, body extent 0.22,-3.97 30.22,26.53, height 2.9
SMD_1206 [mm]
  rect 1.2x2 smd: 1(0,0) 2(3.2,0)
  silkscreen extent -0.8,-1.2 4,1.2, body extent 0,-0.8 3.2,0.8, height 1
SO8 [mm]
  rrect50% 2.2x0.6 smd: 1(-2.8,1.905) 2(-2.8,0.635) 3(-2.8,-0.635) 4(-2.8,-1.905) 5(2.8,-1.905) 6(2.8,-0.635) 7(2.8,0.635) 8(2.8,1.905)
  silkscreen extent -1.35,-2.49 1.3,2.5, body extent -3.07,-2.44 3.07,2.44, height 1.76
SO16 [mm]
  rrect50% 2.2x0.6 smd: 1(0,0) 2(0,-1.27) 3(0,-2.54) 4(0,-3.81) 5(0,-5.08) 6(0,-6.35) 7(0,-7.62) 8(0,-8.89) 9(5.2,-8.89) 10(5.2,-7.62) 11(5.2,-6.35) 12(5.2,-5.08) 13(5.2,-3.81) 14(5.2,-2.54) 15(5.2,-1.27) 16(5.2,0)
  silkscreen extent 1.43,-9.44 3.74,0.56, body extent -0.3,-9.34 5.5,0.46, height 1.75
SOIC_IC16 [mm] "SOIC, 16-Leads, Body 12,75x7,50mm, Pitch 1,27mm, IPC Medium Density"
  oval 2.2x0.6 smd: 1(0,0) 2(0,-1.27) 3(0,-2.54) 4(0,-3.81) 5(0,-5.08) 6(0,-6.35) 7(0,-7.62) 8(0,-8.89) 9(10,-8.89) 10(10,-7.62) 11(10,-6.35) 12(10,-5.08) 13(10,-3.81) 14(10,-2.54) 15(10,-1.27) 16(10,0)
  silkscreen extent 0.08,-10.9 8.25,2, body extent -0.31,-9.7 10.31,0.81, height 2.72
SOT23 [mm] "SOT23, 3-Leads, Body 2,90x2,40mm, Pitch 0,90mm, IPC Medium Density"
  rect 1.2x0.8 smd: 1(-1.05,0.95) 2(-1.05,-0.95) 3(1.05,0)
  silkscreen extent -1.12,-1.5 0.7,1.98, body extent -1.25,-1.5 1.25,1.5, height 1.09
SOT23-6L [mm] "SOT23, 6-Leads, Body 3,0x3,0mm (max), Pitch 0,95mm, IPC Medium Density"
  rect 1.2x0.6 smd: 1(0,0) 2(0,-0.95) 3(0,-1.9) 4(2.3,-1.9) 5(2.3,-0.95) 6(2.3,0)
  silkscreen extent -1.55,-2.45 3.2,0.55, body extent -0.35,-2.5 2.65,0.55, height 1.3
SOT223 [mm] "SOT-223/SC-73; 4 Leads; Body 6.7 x 7.3 mm, inc. leads (LxW max)"
  rect 1.1x2 smd: 1(0,0) 2(2.3,0) 3(4.6,0)
  rect 3.5x2 smd: 4(2.3,6.3)
  silkscreen extent -1.05,-1.75 5.65,4.73, body extent -1.05,-0.2 5.65,6.62, height 1.95
SQFP48 [mm] "SQFP, 48-Leads, Body 9,0x9,0mm (max), Pitch 0,50mm, IPC Medium Density"
  oval 1.65x0.3 smd: 1(-4.25,2.75) 2(-4.25,2.25) 3(-4.25,1.75) 4(-4.25,1.25) 5(-4.25,0.75) 6(-4.25,0.25) 7(-4.25,-0.25) 8(-4.25,-0.75) 9(-4.25,-1.25) 10(-4.25,-1.75) 11(-4.25,-2.25) 12(-4.25,-2.75) 25(4.25,-2.75) 26(4.25,-2.25) 27(4.25,-1.75) 28(4.25,-1.25) 29(4.25,-0.75) 30(4.25,-0.25) 31(4.25,0.25) 32(4.25,0.75) 33(4.25,1.25) 34(4.25,1.75) 35(4.25,2.25) 36(4.25,2.75)
  oval 0.3x1.65 smd: 13(-2.75,-4.25) 14(-2.25,-4.25) 15(-1.75,-4.25) 16(-1.25,-4.25) 17(-0.75,-4.25) 18(-0.25,-4.25) 19(0.25,-4.25) 20(0.75,-4.25) 21(1.25,-4.25) 22(1.75,-4.25) 23(2.25,-4.25) 24(2.75,-4.25) 37(2.75,4.25) 38(2.25,4.25) 39(1.75,4.25) 40(1.25,4.25) 41(0.75,4.25) 42(0.25,4.25) 43(-0.25,4.25) 44(-0.75,4.25) 45(-1.25,4.25) 46(-1.75,4.25) 47(-2.25,4.25) 48(-2.75,4.25)
  silkscreen extent -4.2,-2.85 2.85,3.57, body extent -4.5,-4.5 4.5,4.5, height 1.4
SSOP28 [mm] "SOP, 28-Leads, Body 10,5x5,6mm (max), Pitch 0,65mm, IPC Medium Density"
  oval 2.1x0.4 smd: 1(0,0) 2(0,-0.65) 3(0,-1.3) 4(0,-1.95) 5(0,-2.6) 6(0,-3.25) 7(0,-3.9) 8(0,-4.55) 9(0,-5.2) 10(0,-5.85) 11(0,-6.5) 12(0,-7.15) 13(0,-7.8) 14(0,-8.45) 15(7.2,-8.45) 16(7.2,-7.8) 17(7.2,-7.15) 18(7.2,-6.5) 19(7.2,-5.85) 20(7.2,-5.2) 21(7.2,-4.55) 22(7.2,-3.9) 23(7.2,-3.25) 24(7.2,-2.6) 25(7.2,-1.95) 26(7.2,-1.3) 27(7.2,-0.65) 28(7.2,0)
  silkscreen extent -0.12,-9.48 5.6,1.02, body extent -0.31,-9.33 7.51,0.87, height 2
SWT2 [mm]
  rrect50% 1.5x2 hole 1: 1(2.25,3.25)
  oval 1.5x2 hole 1: 2(2.25,-3.25) 3(-2.25,3.25) 4(-2.25,-3.25)
  silkscreen extent -3.3,-3.3 3.3,3.25, body extent -3.25,-3.75 3.25,3.75, height 5.5
TB-01A [mm]
  round 2.5 hole 1.3: 1(0,0) 2(5,0)
  silkscreen extent -3.05,-4.44 8,5.33, body extent -3,-4.6 8,5.4, height 15
TB-01B [mm]
  round 2.5 hole 1.3: 1(0,0) 2(5,0) 3(10,0)
  silkscreen extent -3.05,-4.44 13,5.33, body extent -3.1,-4.6 12.9,5.4, height 15
USBB-1J [mm]
  rect 1.3x1.3 hole 1: 1(0,0)
  round 1.3 hole 1: 2(-2.5,0) 3(-2.5,-2) 4(0,-2)
  round 3 hole 2.3: 5(4.77,-4.71) 6(-7.27,-4.71)
  silkscreen extent -7.2,-14.86 4.8,0.9, body extent -8.65,-15.05 6.15,1.45, height 11

## Part data
C1 C2 C7 C8 C9 C10 C11 C13 C14 C15 C16 C17 C18 C19 C20 C21 C22 C24 C25 C26 C27 C28 C30 C31 C32 C33 C34 C35 C36 C37 C38 C39 C40 C41 C42 C43 C44 C45 C46 C47 C49 C50 C51 C52 C53 C54 C55 C57 C58 C60 C61 C63 C64 C65 C66 C67 C68 C69 C70 C71 C72 C73 C74 C75 C76 C77 C78 C79 C81: library part C, "Capasitor"
C3 C4 C5 C6 C12 C23 C29 C48 C56 C59 C62 C80: library part CapPol, "Capasitor_polar"
DA1 DA2: "Positive voltage regulators"
DD1: "STM32 ARM-based 32-bit MCU with 256 Kbytes Flash, 100-pin LQFP, Industrial Temperature"
DD2 DD3: "CAN transceivers"
DD4: "USB to UART interface"
DD5 DD8: library part USBLC6, "ESD PROTECTION"
DD6 DD7: library part ADM202, "CMOS RS232 drivers/receivers"
DD9 DD11: library part ADM2682E, "RS422/RS485 transceivier 15 kV ESD Protection"
DD10: "Ethernet phyciever, 10/100M"
L1 L2 L3 L4 L5 L6 L7: library part B, "Ferrite bead"
L8 L9: library part L, "Inductance"
R1 R2 R3 R4 R5 R6 R7 R8 R9 R10 R11 R12 R13 R14 R15 R16 R17 R18 R19 R20 R21 R22 R23 R24 R25 R26 R27 R28 R29 R30 R31 R32 R33 R34 R35 R36 R37 R38 R39 R40 R41 R42 R43 R44 R45 R46 R47 R48 R49 R50 R51 R52 R53 R54 R55 R56 R57 R58 R59 R60 R61 R62 R63 R64 R65 R66 R67 R68 R69 R70 R71 R72: library part R_Gost, "Resistor,2 Pin"
SB1: "SWT-2, key"
VD1: library part BS40-04, "Diod Schottky, 3 pin"
VD2: library part BS40-06, "Diod Schottky, 3 pin"
VT1: "Transistor NPN Generic"
X1 X2 X3 X4 X5 X11 X12 X15 X16 X17 X18 X19 X20 X32 X33 X34 X35 X36 X37: library part J2
X6 X7 X8 X9 X10 X13 X14 X21 X22 X23 X24 X25 X26 X27 X28 X29 X30 X31: library part J3
XP11 XP12: library part X9, "X9"
XS1 XS2: library part SDcard, "SD-card socket"
XS3: library part MicroSD, "SD-card socket"
XS5: "9 pin connector, USB mini"
XS6: library part HR911105A, "RJ45"
ZQ1 ZQ2 ZQ3: library part OSC, "OSC"

## Free pads (board coordinates)
  round 5 hole 3.5: 0(5,5) 0(5,80) 0(5,120) 0(155,5) 0(155,80) 0(155,120)

## Via types
v1: diameter 1.2, hole 0.6, Top Layer to Bottom Layer, 239 vias

## Nets (pads, with @x,y where several pads share a name; then routed paths per layer and width w, separated by ;. In a path a pad name is that pad's centre, name@x,y a point inside that pad or via, vN(x,y) a via of type N, cw(c..) or ccw(c..) an arc to the next point about the centre after c; other vN are vias at no path point)
5V: C5.1 C7.1 C44.1 C46.1 DA1.2 DA1.4 X4.2 X30.1 X31.1 X36.1 X37.1 XP8.8 XP9.8 | length 167.5
  Top Layer w0.4: 62.15,114.935 67.865,120.65 72.39,120.65 XP8.8@73.58,119.46
  Top Layer w0.6: XP8.8@73.58,119.38 XP8.8@73.58,119.46
  Top Layer w1: v1(26.416,99.568) 26.416,110.998 27.178,111.76 v1(30.48,111.76) ; v1(51.99,114.935) 62.15,114.935 X31.1@62.15,102.87 ; v1(73.58,114.935) 84.375,114.935 84.502,114.808 X30.1@84.502,106.68 X37.1@88.9,106.68
  Bottom Layer w0.8: X4.2@17.7,95.25 19.605,95.25 20.24,95.885 20.24,99.455
  Bottom Layer w1: DA1.2@17.7,99.455 20.24,99.455 DA1.4@24,99.455 ; C5.1@24,95.3 DA1.4@24,99.455 ; v1(26.416,99.568) 24.113,99.568 DA1.4@24,99.455 ; v1(30.48,111.76) 48.815,111.76 v1(51.99,114.935) ; C46.1@51.99,116.84 XP9.8@51.99,119.38 ; v1(73.58,114.935) C44.1@73.58,116.205 XP8.8@73.58,119.38 ; X37.1@88.9,106.68 88.9,105.41 91.44,102.87 94.742,102.87 98.298,99.314 114.554,99.314 X36.1@121.92,106.68
  Bottom Layer w1.5: C5.1@24,95.3 C5.1@24.05,95.25 C7.1@26.59,95.25
9V: C1.1 C3.1 DA1.3 XT1.1 | length 12.8
  Bottom Layer w1: XT1.1@5,101.6 C3.1@11.35,101.6 C1.1@14.525,101.6 14.68,101.755 DA1.3@17.7,101.755